# KiCad board IMXDesign.kicad_pcb (continued)
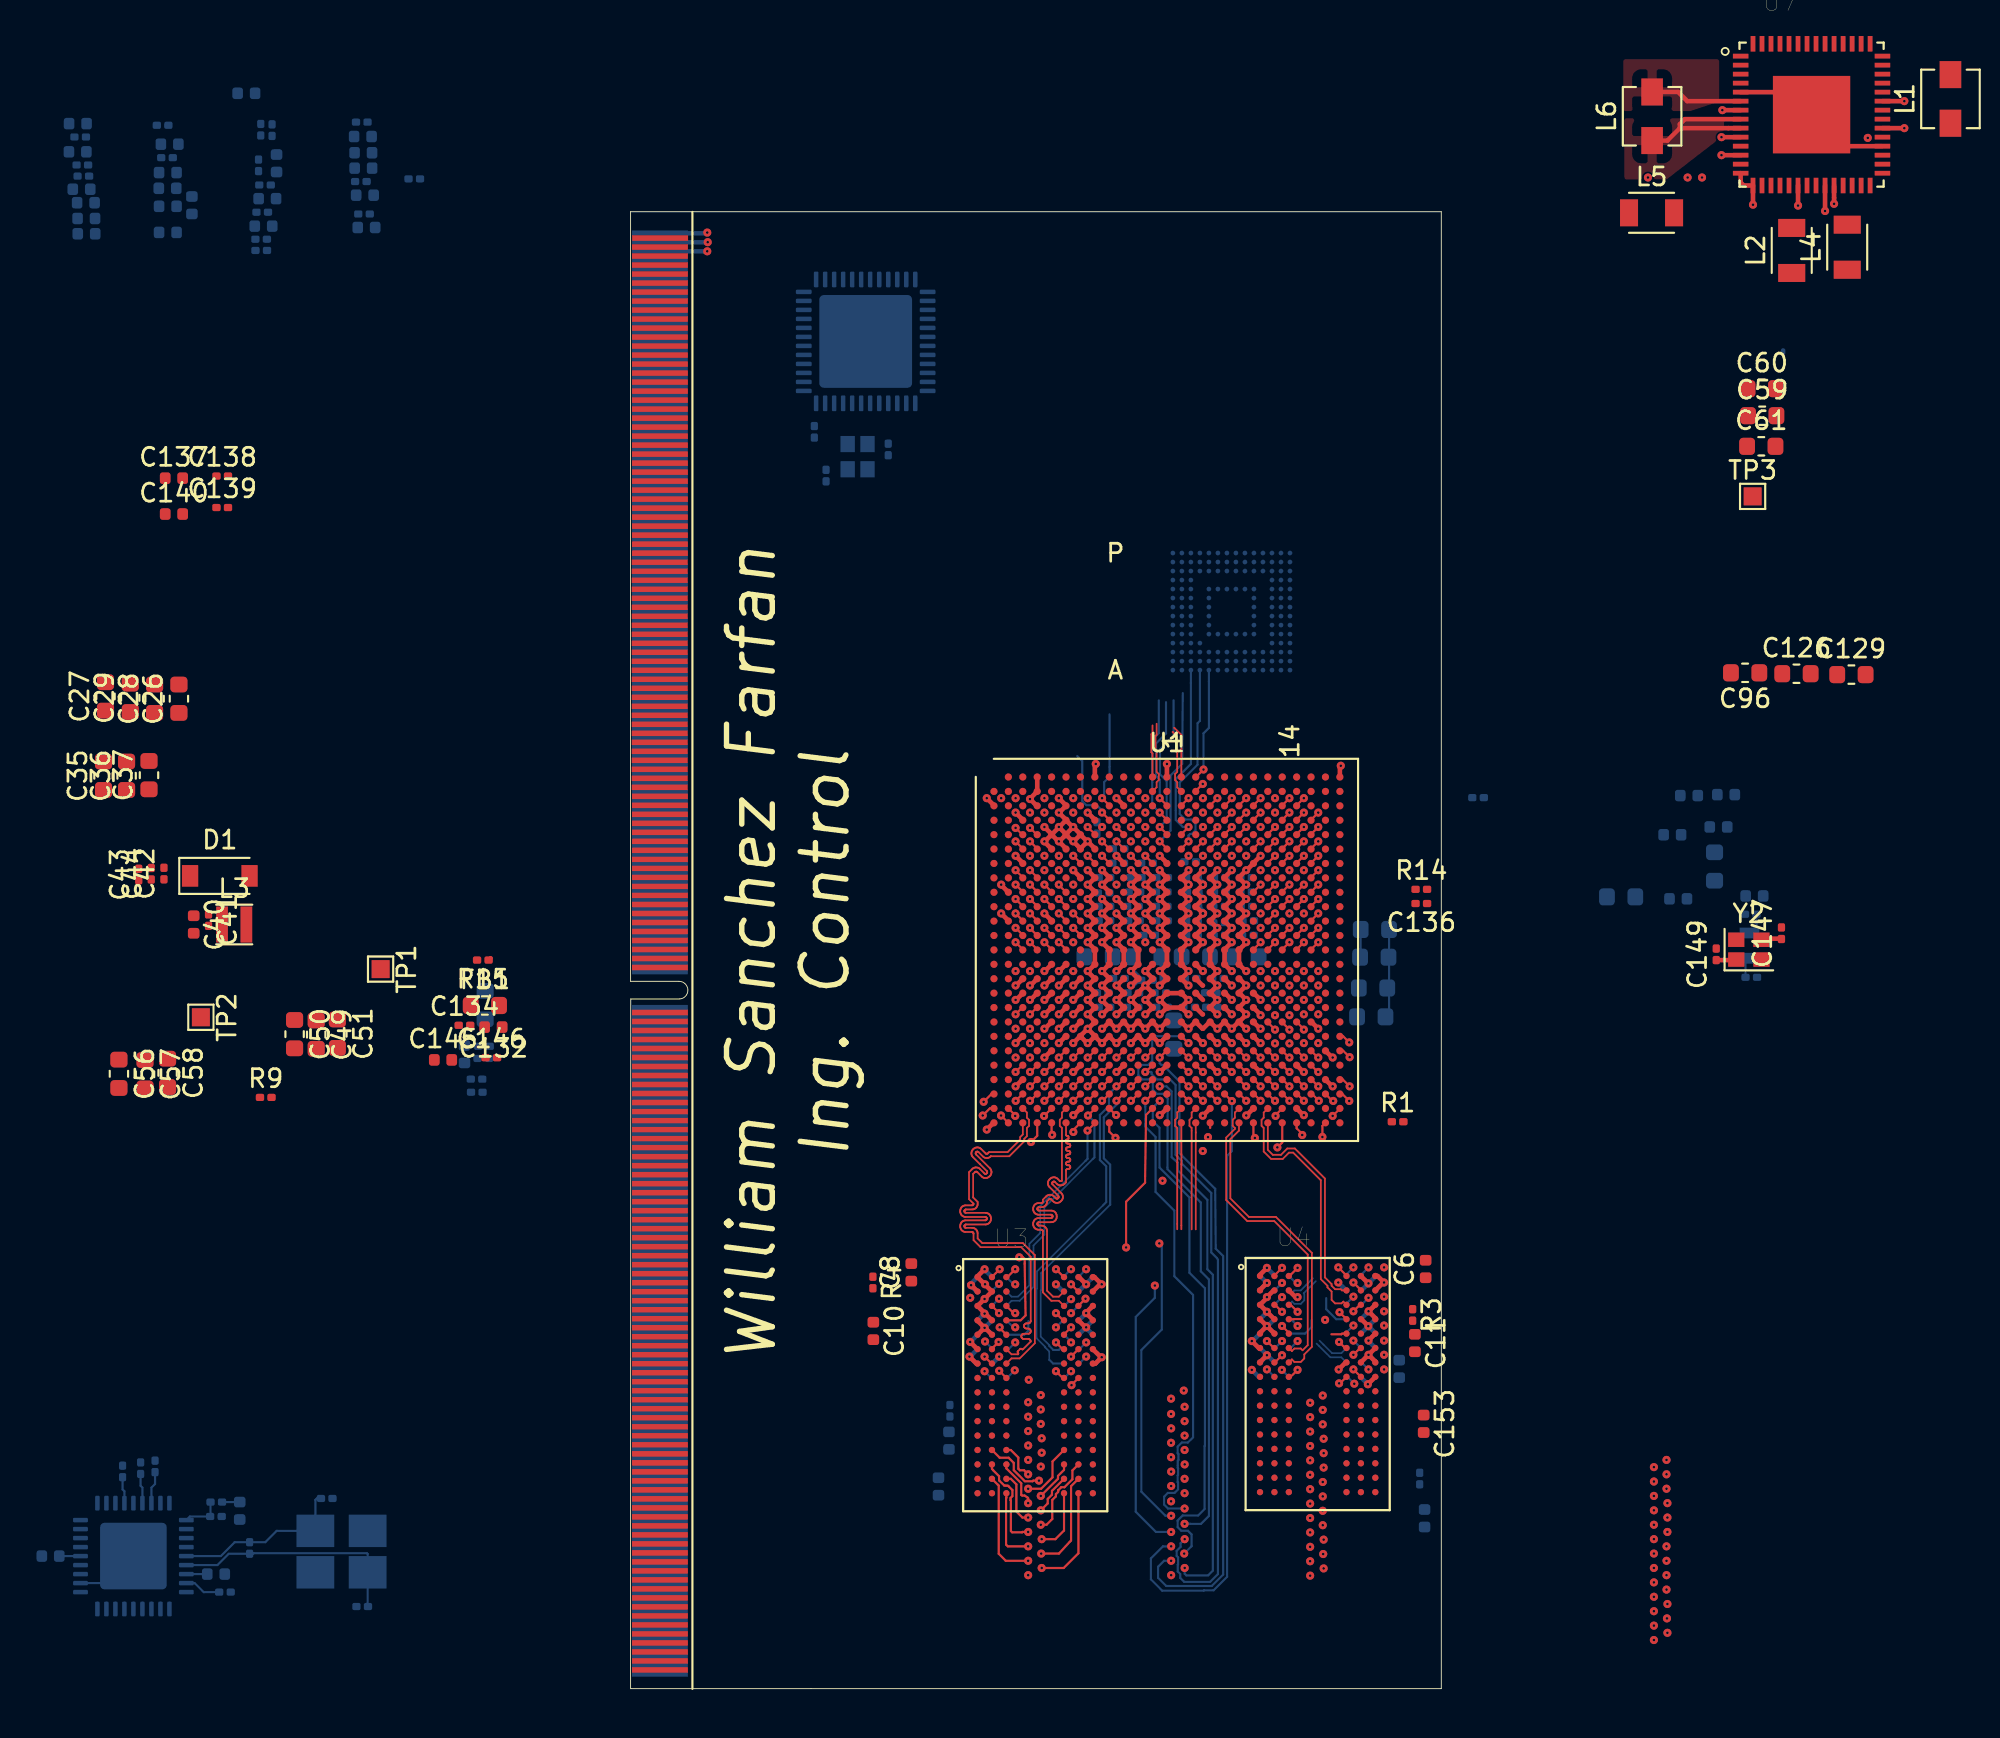
[diagram p0: board, top side]
## Routing (per net, layer and track width the routed paths; a pad name or vN(x,y) marks a point on that pad's centre or on a via; arc(x,y) is an arc through that point) (continued)
/DDR3_Memory/CPU_DDR3/DRAM_D48: length 17.7
  Top w0.119: v1(37.37,32.64) 37,33.01 U1.AC22
  In1.Cu w0.114: v1(37.02,20.14) 36.99,20.14 ; 36.53,30.76 36.53,30.85 37.01,31.34 37.43,31.34 37.75,31.66 37.75,32.26 v1(37.37,32.64)
  In1.Cu w0.119: 36.53,30.76 36.53,30.7 36.5,28.08 36.3,27.88 36.3,27.68 36.3,27.66 36.3,27.65 36.29,27.64 36.28,27.64 36.27,27.63 36.26,27.63 36.24,27.62 36.23,27.62 36.22,27.61 36.21,27.61 36.2,27.6 36.2,27.59 36.2,27.57 36.2,27.43 36.2,27.41 36.2,27.4 36.21,27.39 36.22,27.39 36.23,27.38 36.24,27.38 36.25,27.38 36.35,27.38 36.36,27.37 36.37,27.37 36.38,27.36 36.39,27.36 36.4,27.35 36.4,27.34 36.4,27.32 36.4,27.18 36.4,27.16 36.4,27.15 36.39,27.14 36.38,27.14 36.37,27.13 36.36,27.13 36.35,27.12 36.25,27.12 36.24,27.12 36.23,27.12 36.22,27.11 36.21,27.11 36.2,27.1 36.2,27.09 36.2,27.07 36.2,26.93 36.2,26.91 36.2,26.9 36.21,26.89 36.22,26.89 36.23,26.88 36.24,26.88 36.25,26.88 36.35,26.88 36.36,26.87 36.37,26.87 36.38,26.86 36.39,26.86 36.4,26.85 36.4,26.84 36.4,26.82 36.4,26.68 36.4,26.66 36.4,26.65 36.39,26.64 36.38,26.64 36.37,26.63 36.36,26.63 36.35,26.62 36.25,26.62 36.24,26.62 36.23,26.62 36.22,26.61 36.21,26.61 36.2,26.6 36.2,26.59 36.2,26.57 36.2,26.43 36.2,26.41 36.2,26.4 36.21,26.39 36.22,26.39 36.23,26.38 36.24,26.38 36.25,26.38 36.35,26.38 36.36,26.37 36.37,26.37 36.38,26.36 36.39,26.36 36.4,26.35 36.4,26.34 36.4,26.32 36.4,26.18 36.4,26.16 36.4,26.15 36.39,26.14 36.38,26.14 36.37,26.13 36.36,26.13 36.35,26.12 36.25,26.12 36.24,26.12 36.23,26.12 36.22,26.11 36.21,26.11 36.2,26.1 36.2,26.09 36.2,26.07 36.2,25.93 36.2,25.91 36.2,25.9 36.21,25.89 36.22,25.89 36.23,25.88 36.24,25.88 36.25,25.88 36.35,25.88 36.36,25.87 36.37,25.87 36.38,25.86 36.39,25.86 36.4,25.85 36.4,25.84 36.4,25.82 36.4,25.68 36.4,25.66 36.4,25.65 36.39,25.64 36.38,25.64 36.37,25.63 36.36,25.63 36.35,25.62 36.25,25.62 36.24,25.62 36.23,25.62 36.22,25.61 36.21,25.61 36.2,25.6 36.2,25.59 36.2,25.57 36.2,25.43 36.2,25.41 36.2,25.4 36.21,25.39 36.22,25.39 36.23,25.38 36.24,25.38 36.25,25.38 36.35,25.38 36.36,25.37 36.37,25.37 36.38,25.36 36.39,25.36 36.4,25.35 36.4,25.34 36.4,25.32 36.4,25.18 36.4,25.16 36.4,25.15 36.39,25.14 36.38,25.14 36.37,25.13 36.36,25.13 36.34,25.12 36.33,25.12 36.32,25.11 36.31,25.11 36.3,25.1 36.3,25.09 36.3,25.07 36.3,24.85 36.38,24.78 36.64,24.49 36.64,22.42 36.34,22.12 35.97,22.12 35.77,21.92 35.77,21.51 35.97,21.31 36.34,21.31 36.55,21.1 36.55,20.61 v1(37.02,20.14)
  Bottom w0.119: v1(37.02,20.14) 36.64,20.51 36.54,20.51
/DDR3_Memory/CPU_DDR3/DRAM_D49: length 16.9
  Top w0.114: U1.AE22 36.97,31.29 ; U1.AE22 36.97,31.2 ; U1.AE22 36.97,31.11 37.28,30.8 v1(37.28,30.74)
  In1.Cu w0.114: v1(37.28,30.74) 37.28,28.75 37.67,28.35 37.67,27.36 37.67,27.33 37.66,27.31 37.65,27.28 37.63,27.26 37.6,27.25 37.58,27.24 37.52,27.23 37.5,27.23 37.47,27.21 37.45,27.19 37.44,27.17 37.43,27.14 37.43,27.11 37.43,27.08 37.44,27.06 37.45,27.03 37.47,27.01 37.5,27 37.52,26.99 37.55,26.99 37.8,26.99 37.83,26.98 37.85,26.98 37.88,26.96 37.9,26.94 37.91,26.92 37.92,26.89 37.92,26.86 37.92,26.83 37.91,26.81 37.9,26.78 37.88,26.76 37.85,26.75 37.83,26.74 37.8,26.74 37.55,26.74 37.52,26.73 37.5,26.73 37.47,26.71 37.45,26.69 37.44,26.67 37.43,26.64 37.43,26.61 37.43,26.58 37.44,26.56 37.45,26.53 37.47,26.51 37.5,26.5 37.52,26.49 37.55,26.49 37.8,26.49 37.83,26.48 37.85,26.48 37.88,26.46 37.9,26.44 37.91,26.42 37.92,26.39 37.92,26.36 37.92,26.33 37.91,26.31 37.9,26.28 37.88,26.26 37.85,26.25 37.83,26.24 37.8,26.24 37.55,26.24 37.52,26.23 37.5,26.23 37.47,26.21 37.45,26.19 37.44,26.17 37.43,26.14 37.43,26.11 37.43,26.08 37.44,26.06 37.45,26.03 37.47,26.01 37.5,26 37.52,25.99 37.55,25.99 37.8,25.99 37.83,25.98 37.85,25.98 37.88,25.96 37.9,25.94 37.91,25.92 37.92,25.89 37.92,25.86 37.92,25.83 37.91,25.81 37.9,25.78 37.88,25.76 37.85,25.75 37.83,25.74 37.8,25.74 37.55,25.74 37.52,25.73 37.5,25.73 37.47,25.71 37.45,25.69 37.44,25.67 37.43,25.64 37.43,25.61 37.43,25.58 37.44,25.56 37.45,25.53 37.47,25.51 37.5,25.5 37.52,25.49 37.55,25.49 37.8,25.49 37.83,25.48 37.85,25.48 37.88,25.46 37.9,25.44 37.91,25.42 37.92,25.39 37.92,25.36 37.92,25.33 37.91,25.31 37.9,25.28 37.88,25.26 37.85,25.25 37.83,25.24 37.8,25.24 37.55,25.24 37.52,25.23 37.5,25.23 37.47,25.21 37.45,25.19 37.44,25.17 37.43,25.14 37.43,25.11 37.43,25.08 37.44,25.06 37.45,25.03 37.47,25.01 37.5,25 37.52,24.99 37.55,24.99 37.67,24.99 37.8,24.99 37.83,24.98 37.85,24.98 37.88,24.96 37.9,24.94 37.91,24.92 37.92,24.89 37.92,24.86 37.92,24.83 37.91,24.81 37.9,24.78 37.88,24.76 37.85,24.75 37.83,24.74 37.77,24.73 37.75,24.73 37.72,24.71 37.7,24.69 37.69,24.67 37.68,24.64 37.67,24.61 37.68,24.58 37.69,24.56 37.7,24.53 37.72,24.51 37.75,24.5 37.77,24.49 37.83,24.48 37.85,24.48 37.88,24.46 37.9,24.44 37.91,24.42 37.92,24.39 37.92,24.36 37.92,24.33 37.91,24.31 37.9,24.28 37.88,24.26 37.85,24.25 37.83,24.24 37.77,24.23 37.75,24.23 37.72,24.21 37.7,24.19 37.69,24.17 37.68,24.14 37.67,24.11 37.68,24.08 37.69,24.06 37.7,24.03 37.72,24.01 37.75,24 37.77,23.99 37.83,23.98 37.85,23.98 37.88,23.96 37.9,23.94 37.91,23.92 37.92,23.89 37.92,23.86 37.92,23.83 37.91,23.81 37.9,23.78 37.88,23.76 37.85,23.75 37.83,23.74 37.77,23.73 37.75,23.73 37.72,23.71 37.7,23.69 37.69,23.67 37.68,23.64 37.67,23.61 37.68,23.58 37.69,23.56 37.7,23.53 37.72,23.51 37.75,23.5 37.77,23.49 37.83,23.48 37.85,23.48 37.88,23.46 37.9,23.44 37.91,23.42 37.92,23.39 37.92,23.36 37.92,23.33 37.91,23.31 37.9,23.28 37.88,23.26 37.85,23.25 37.83,23.24 37.77,23.23 37.75,23.23 37.72,23.21 37.7,23.19 37.69,23.17 37.68,23.14 37.67,23.11 37.68,23.08 37.69,23.06 37.7,23.03 37.72,23.01 37.75,23 37.77,22.99 37.83,22.98 37.85,22.98 37.88,22.96 37.9,22.94 37.91,22.92 37.92,22.89 37.92,22.86 37.92,22.83 37.91,22.81 37.9,22.78 37.88,22.76 37.85,22.75 37.83,22.74 37.77,22.73 37.75,22.73 37.72,22.71 37.7,22.69 37.69,22.67 37.68,22.64 37.67,22.61 37.21,22.14 36.88,22.14 36.48,21.74 v1(36.16,21.74)
  Bottom w0.119: 35.74,21.31 35.74,21.32 v1(36.16,21.74)
/DDR3_Memory/CPU_DDR3/DRAM_D50: length 17.3
  Top w0.114: U1.AE24 38.4,31.25 v1(38.4,30.63)
  Top w0.119: v1(40.12,23.39) 40.12,23.3
  In1.Cu w0.119: v1(38.4,30.63) 38.4,30.2 38.45,30.12 38.5,30.07 38.95,30.07 39.12,29.91 39.12,29.65 38.98,29.51 38.98,29.31 38.99,29.28 38.99,29.26 39.01,29.23 39.03,29.21 39.05,29.2 39.08,29.19 39.1,29.19 39.36,29.19 39.39,29.18 39.41,29.18 39.44,29.16 39.46,29.14 39.47,29.12 39.48,29.1 39.48,29.07 39.48,29.04 39.47,29.02 39.46,28.99 39.44,28.98 39.41,28.96 39.39,28.95 39.36,28.95 39.1,28.95 39.08,28.95 39.05,28.94 39.03,28.92 39.01,28.9 38.99,28.88 38.99,28.86 38.98,28.83 38.99,28.8 38.99,28.78 39.01,28.76 39.03,28.74 39.05,28.72 39.08,28.71 39.1,28.71 39.36,28.71 39.39,28.71 39.41,28.7 39.44,28.68 39.46,28.67 39.47,28.64 39.48,28.62 39.48,28.59 39.48,28.56 39.47,28.54 39.46,28.52 39.44,28.5 39.41,28.48 39.39,28.47 39.36,28.47 39.1,28.47 39.08,28.47 39.05,28.46 39.03,28.45 39.01,28.43 38.99,28.4 38.99,28.38 38.98,28.35 38.99,28.33 38.99,28.3 39.01,28.28 39.03,28.26 39.05,28.24 39.08,28.24 39.1,28.23 39.36,28.23 39.39,28.23 39.41,28.22 39.44,28.21 39.46,28.19 39.47,28.17 39.48,28.14 39.48,28.11 39.48,28.09 39.47,28.06 39.46,28.04 39.44,28.02 39.41,28.01 39.39,28 39.36,27.99 39.1,27.99 39.08,27.99 39.05,27.98 39.03,27.97 39.01,27.95 38.99,27.93 38.99,27.9 38.98,27.87 38.99,27.85 38.99,27.82 39.01,27.8 39.03,27.78 39.05,27.77 39.08,27.76 39.1,27.76 39.36,27.76 39.39,27.75 39.41,27.74 39.44,27.73 39.46,27.71 39.47,27.69 39.48,27.66 39.48,27.64 39.48,27.61 39.47,27.58 39.46,27.56 39.44,27.54 39.41,27.53 39.39,27.52 39.36,27.52 39.1,27.52 39.08,27.51 39.05,27.5 39.03,27.49 39.01,27.47 38.99,27.45 38.99,27.42 38.98,27.4 38.99,27.37 38.99,27.35 39.01,27.32 39.03,27.3 39.05,27.29 39.08,27.28 39.1,27.28 39.36,27.28 39.39,27.27 39.41,27.27 39.44,27.25 39.46,27.23 39.47,27.21 39.48,27.18 39.48,27.16 39.48,27.13 39.47,27.11 39.46,27.08 39.44,27.07 39.41,27.05 39.39,27.04 39.36,27.04 39.1,27.04 39.08,27.04 39.05,27.03 39.03,27.01 39.01,26.99 38.99,26.97 38.99,26.95 38.98,26.92 38.99,26.89 38.99,26.87 39.01,26.85 39.03,26.83 39.05,26.81 39.08,26.8 39.1,26.8 39.36,26.8 39.39,26.8 39.41,26.79 39.44,26.77 39.46,26.76 39.47,26.73 39.48,26.71 39.48,26.68 39.48,26.65 39.47,26.63 39.46,26.61 39.44,26.59 39.41,26.57 39.39,26.56 39.36,26.56 39.1,26.56 39.08,26.56 39.05,26.55 39.03,26.54 39.01,26.52 38.99,26.49 38.99,26.47 38.98,26.44 38.99,26.42 38.99,26.39 39.01,26.37 39.03,26.35 39.05,26.33 39.08,26.33 39.1,26.32 39.36,26.32 39.39,26.32 39.41,26.31 39.44,26.3 39.46,26.28 39.47,26.26 39.48,26.23 39.48,26.2 39.48,26.18 39.47,26.15 39.46,26.13 39.44,26.11 39.41,26.1 39.39,26.09 39.36,26.08 39.1,26.08 39.08,26.08 39.05,26.07 39.03,26.06 39.01,26.04 38.99,26.02 38.99,25.99 38.98,25.96 38.99,25.94 38.99,25.91 39.01,25.89 39.03,25.87 39.05,25.86 39.08,25.85 39.1,25.85 39.36,25.85 39.39,25.84 39.41,25.83 39.44,25.82 39.46,25.8 39.47,25.78 39.48,25.75 39.48,25.73 39.48,25.7 39.47,25.67 39.46,25.65 39.44,25.63 39.41,25.62 39.39,25.61 39.36,25.61 39.1,25.61 39.08,25.6 39.05,25.59 39.03,25.58 39.01,25.56 38.99,25.54 38.99,25.51 38.98,25.49 38.99,25.46 38.99,25.44 39.01,25.41 39.03,25.39 39.05,25.38 39.08,25.37 39.1,25.37 39.36,25.37 39.39,25.36 39.41,25.36 39.44,25.34 39.46,25.32 39.47,25.3 39.48,25.27 39.48,25.25 39.48,25.22 39.47,25.2 39.46,25.17 39.44,25.15 39.41,25.14 39.39,25.13 39.36,25.13 39.1,25.13 39.08,25.13 39.05,25.12 39.03,25.1 39.01,25.08 38.99,25.06 38.99,25.04 38.98,25.01 38.98,24.49 39.65,23.82 39.65,23.54 39.8,23.39 v1(40.12,23.39)
  Bottom w0.114: 39.74,22.93 39.74,22.91 39.74,23.01 v1(40.12,23.39)
/DDR3_Memory/CPU_DDR3/DRAM_D51: length 17.1
  Top w0.114: 38.57,33.01 U1.AC24 38.61,33.01
  Top w0.119: U1.AC24 38.95,32.63 v1(39,32.63)
  In1.Cu w0.114: v1(39,32.63) 38.78,32.41 38.7,32.41 38.37,32.07 38.37,31.69 38.37,31.69 38.37,31.4 38.22,31.25 38.14,31.25 37.66,30.78 37.66,30.24
  In1.Cu w0.119: v1(40.12,21.76) 39.8,21.76 39.79,21.75 38.67,21.75 38.15,22.27 38.15,22.8 38.15,22.84 38.17,22.88 38.19,22.91 38.22,22.94 38.25,22.96 38.29,22.97 38.33,22.97 38.38,22.97 38.41,22.98 38.45,22.99 38.48,23.01 38.51,23.04 38.53,23.07 38.55,23.11 38.55,23.15 38.55,23.19 38.53,23.23 38.51,23.26 38.48,23.29 38.45,23.31 38.41,23.32 38.38,23.32 38.33,23.32 38.29,23.33 38.25,23.34 38.22,23.36 38.19,23.39 38.17,23.42 38.15,23.46 38.15,23.5 38.15,23.75 38.15,23.76 38.16,23.77 38.16,23.78 38.17,23.79 38.18,23.79 38.19,23.8 38.21,23.8 38.22,23.8 38.23,23.81 38.24,23.82 38.25,23.83 38.25,23.84 38.25,23.85 38.25,24.1 38.25,24.11 38.25,24.12 38.24,24.13 38.23,24.14 38.22,24.14 38.21,24.15 38.19,24.15 38.18,24.15 38.17,24.16 38.16,24.17 38.16,24.18 38.15,24.19 38.15,24.2 38.15,24.45 38.15,24.46 38.16,24.47 38.16,24.48 38.17,24.49 38.18,24.49 38.19,24.5 38.21,24.5 38.22,24.5 38.23,24.51 38.24,24.52 38.25,24.53 38.25,24.54 38.25,24.55 38.25,24.8 38.25,24.81 38.25,24.82 38.24,24.83 38.23,24.84 38.22,24.84 38.21,24.85 38.19,24.85 38.18,24.85 38.17,24.86 38.16,24.87 38.16,24.88 38.15,24.89 38.15,24.9 38.15,25.15 38.15,25.16 38.16,25.17 38.16,25.18 38.17,25.19 38.18,25.19 38.19,25.2 38.21,25.2 38.22,25.2 38.23,25.21 38.24,25.22 38.25,25.23 38.25,25.24 38.25,25.25 38.25,25.5 38.25,25.51 38.25,25.52 38.24,25.53 38.23,25.54 38.22,25.54 38.21,25.55 38.19,25.55 38.18,25.55 38.17,25.56 38.16,25.57 38.16,25.58 38.15,25.59 38.15,25.6 38.15,25.85 38.15,25.86 38.16,25.87 38.16,25.88 38.17,25.89 38.18,25.89 38.19,25.9 38.21,25.9 38.22,25.9 38.23,25.91 38.24,25.92 38.25,25.93 38.25,25.94 38.25,25.95 38.25,26.2 38.25,26.21 38.25,26.22 38.24,26.23 38.23,26.24 38.22,26.24 38.21,26.25 38.19,26.25 38.18,26.25 38.17,26.26 38.16,26.27 38.16,26.28 38.15,26.29 38.15,26.3 38.15,26.55 38.15,26.56 38.16,26.57 38.16,26.58 38.17,26.59 38.18,26.59 38.19,26.6 38.21,26.6 38.22,26.6 38.23,26.61 38.24,26.62 38.25,26.63 38.25,26.64 38.25,26.65 38.25,26.9 38.25,26.91 38.25,26.92 38.24,26.93 38.23,26.94 38.22,26.94 38.21,26.95 38.19,26.95 38.18,26.95 38.17,26.96 38.16,26.97 38.16,26.98 38.15,26.99 38.15,27 38.15,27.01 38.16,27.02 38.16,27.03 38.17,27.04 38.18,27.04 38.19,27.05 38.21,27.05 38.22,27.05 38.23,27.06 38.24,27.07 38.25,27.08 38.25,27.09 38.25,27.1 38.25,27.35 38.25,27.36 38.25,27.37 38.24,27.38 38.23,27.39 38.22,27.39 38.21,27.4 38.2,27.4 38.03,27.4 38,27.4 37.97,27.41 37.95,27.43 37.93,27.45 37.91,27.47 37.9,27.5 37.9,27.52 37.9,27.62 37.9,27.65 37.91,27.68 37.93,27.7 37.95,27.72 37.97,27.74 38,27.75 38.03,27.75 38.2,27.75 38.21,27.75 38.22,27.75 38.23,27.76 38.24,27.77 38.25,27.78 38.25,27.79 38.25,27.8 38.25,28.05 38.25,28.06 38.25,28.07 38.24,28.08 38.23,28.09 38.22,28.09 38.21,28.1 38.2,28.1 38.03,28.1 38,28.1 37.97,28.11 37.95,28.13 37.93,28.15 37.91,28.17 37.9,28.2 37.9,28.22 37.9,28.32 37.9,28.35 37.91,28.38 37.93,28.4 37.95,28.42 37.97,28.44 38,28.45 38.05,28.45 38.08,28.46 38.1,28.48 38.12,28.5 38.14,28.52 38.15,28.55 38.15,28.57 37.67,29.07 37.67,29.4 37.68,29.42 37.68,29.43 37.69,29.44 37.69,29.44 37.7,29.45 37.71,29.45 37.74,29.46 37.75,29.46 37.76,29.47 37.76,29.47 37.77,29.48 37.77,29.49 37.78,29.5 37.78,29.75 37.77,29.77 37.77,29.78 37.76,29.79 37.76,29.79 37.75,29.8 37.74,29.8 37.72,29.8 37.6,29.8 37.58,29.81 37.57,29.81 37.55,29.82 37.54,29.83 37.53,29.85 37.53,29.86 37.53,29.88 37.53,30.08 37.53,30.1 37.53,30.11 37.54,30.13 37.55,30.14 37.57,30.15 37.58,30.15 37.62,30.16 37.63,30.16 37.65,30.17 37.66,30.18 37.67,30.2 37.67,30.21 37.67,30.23 37.66,30.24
  Bottom w0.119: 39.73,21.31 39.74,21.31 39.74,21.38 v1(40.12,21.76)
/DDR3_Memory/CPU_DDR3/DRAM_D52: length 16.6
  Top w0.119: v1(37.37,33.44) 37,33.81 U1.AB22
  In1.Cu w0.114: v1(37.37,33.44) 36.95,33.02 36.95,31.64 36.43,31.12 36.43,31.06 36.26,30.89 36.26,30.7 ; 35.98,22.7 v1(36.16,22.52)
  In1.Cu w0.119: 36.26,30.7 36.28,28.68 35.66,28.06 35.66,27.89 35.65,27.87 35.65,27.85 35.63,27.83 35.62,27.82 35.6,27.81 35.58,27.8 35.54,27.79 35.52,27.79 35.5,27.78 35.48,27.76 35.47,27.74 35.46,27.72 35.46,27.7 35.46,27.61 35.46,27.58 35.47,27.56 35.48,27.55 35.5,27.53 35.52,27.52 35.54,27.51 35.56,27.51 35.66,27.51 35.66,27.51 35.75,27.51 35.77,27.5 35.79,27.5 35.81,27.48 35.83,27.47 35.84,27.45 35.85,27.43 35.85,27.41 35.85,27.31 35.85,27.29 35.84,27.27 35.83,27.25 35.81,27.24 35.79,27.23 35.77,27.22 35.75,27.22 35.56,27.22 35.54,27.21 35.52,27.21 35.5,27.2 35.48,27.18 35.47,27.16 35.46,27.14 35.46,27.12 35.46,27.03 35.46,27 35.47,26.98 35.48,26.96 35.5,26.95 35.52,26.94 35.54,26.93 35.56,26.93 35.75,26.93 35.77,26.93 35.79,26.92 35.81,26.91 35.83,26.89 35.84,26.87 35.85,26.85 35.85,26.83 35.85,26.74 35.85,26.71 35.84,26.69 35.83,26.68 35.81,26.66 35.79,26.65 35.77,26.64 35.75,26.64 35.56,26.64 35.54,26.64 35.52,26.63 35.5,26.62 35.48,26.6 35.47,26.58 35.46,26.56 35.46,26.54 35.46,26.45 35.46,26.43 35.47,26.41 35.48,26.39 35.5,26.37 35.52,26.36 35.54,26.35 35.56,26.35 35.75,26.35 35.77,26.35 35.79,26.34 35.81,26.33 35.83,26.31 35.84,26.3 35.85,26.28 35.85,26.25 35.85,26.16 35.85,26.14 35.84,26.12 35.83,26.1 35.81,26.08 35.79,26.07 35.77,26.06 35.75,26.06 35.56,26.06 35.54,26.06 35.52,26.05 35.5,26.04 35.48,26.03 35.47,26.01 35.46,25.99 35.46,25.96 35.46,25.87 35.46,25.85 35.47,25.83 35.48,25.81 35.5,25.79 35.52,25.78 35.54,25.78 35.56,25.77 35.75,25.77 35.77,25.77 35.79,25.76 35.81,25.75 35.83,25.74 35.84,25.72 35.85,25.7 35.85,25.68 35.85,25.58 35.85,25.56 35.84,25.54 35.83,25.52 35.81,25.51 35.79,25.49 35.77,25.49 35.75,25.48 35.56,25.48 35.54,25.48 35.52,25.47 35.5,25.46 35.48,25.45 35.47,25.43 35.46,25.41 35.46,25.39 35.46,25.29 35.46,25.27 35.47,25.25 35.48,25.23 35.5,25.22 35.52,25.21 35.54,25.2 35.56,25.2 35.75,25.2 35.77,25.19 35.79,25.19 35.81,25.17 35.83,25.16 35.84,25.14 35.85,25.12 35.85,25.1 35.85,25 35.85,24.98 35.84,24.96 35.83,24.94 35.81,24.93 35.79,24.92 35.77,24.91 35.75,24.91 35.56,24.91 35.54,24.9 35.52,24.9 35.5,24.89 35.48,24.87 35.47,24.85 35.46,24.83 35.46,24.81 35.46,24.71 35.46,24.69 35.47,24.67 35.48,24.65 35.5,24.64 35.52,24.63 35.54,24.62 35.56,24.62 35.75,24.62 35.77,24.62 35.79,24.61 35.81,24.6 35.83,24.58 35.84,24.56 35.85,24.54 35.85,24.52 35.85,24.43 35.85,24.4 35.84,24.38 35.83,24.37 35.81,24.35 35.79,24.34 35.77,24.33 35.73,24.33 35.71,24.32 35.69,24.31 35.68,24.29 35.67,24.27 35.66,24.25 35.66,24.23 35.66,23.6 35.77,23.48 35.77,22.91 35.98,22.7
  Bottom w0.119: v1(36.16,22.52) 35.75,22.11 35.74,22.11
/DDR3_Memory/CPU_DDR3/DRAM_D53: length 16.7
  Top w0.114: v1(38.2,32.64) 37.83,33.01 U1.AC23
  In1.Cu w0.114: v1(37.02,22.52) 37.4,22.91 37.4,24.4 36.9,24.9 36.9,25.44 36.9,25.46 36.91,25.47 36.91,25.48 36.93,25.5 36.94,25.51 36.95,25.51 36.99,25.51 37,25.52 37.02,25.53 37.03,25.54 37.04,25.55 37.04,25.57 37.04,25.59 37.04,25.72 37.04,25.73 37.04,25.75 37.03,25.76 37.02,25.78 37,25.78 36.99,25.79 36.97,25.79 36.82,25.79 36.81,25.79 36.79,25.8 36.78,25.81 36.77,25.82 36.76,25.83 36.75,25.85 36.75,25.86 36.75,26 36.75,26.01 36.76,26.03 36.77,26.04 36.78,26.05 36.79,26.06 36.81,26.07 36.82,26.07 36.97,26.07 36.99,26.07 37,26.08 37.02,26.09 37.03,26.1 37.04,26.11 37.04,26.13 37.04,26.14 37.04,26.28 37.04,26.29 37.04,26.31 37.03,26.32 37.02,26.33 37,26.34 36.99,26.35 36.97,26.35 36.82,26.35 36.81,26.35 36.79,26.36 36.78,26.36 36.77,26.38 36.76,26.39 36.75,26.4 36.75,26.42 36.75,26.55 36.75,26.57 36.76,26.59 36.77,26.6 36.78,26.61 36.79,26.62 36.81,26.62 36.82,26.63 36.97,26.63 36.99,26.63 37,26.63 37.02,26.64 37.03,26.65 37.04,26.67 37.04,26.68 37.04,26.7 37.04,26.83 37.04,26.85 37.04,26.86 37.03,26.88 37.02,26.89 37,26.9 36.99,26.9 36.97,26.91 36.82,26.91 36.81,26.91 36.79,26.91 36.78,26.92 36.77,26.93 36.76,26.95 36.75,26.96 36.75,26.98 36.75,27.11 36.75,27.13 36.76,27.14 36.77,27.16 36.78,27.17 36.79,27.18 36.81,27.18 36.82,27.18 36.97,27.18 36.99,27.19 37,27.19 37.02,27.2 37.03,27.21 37.04,27.23 37.04,27.24 37.04,27.26 37.04,27.39 37.04,27.41 37.04,27.42 37.03,27.44 37.02,27.45 37,27.46 36.99,27.46 36.97,27.46 36.82,27.46 36.81,27.46 36.79,27.47 36.78,27.48 36.77,27.49 36.76,27.5 36.75,27.52 36.75,27.54 36.75,27.67 36.75,27.68 36.76,27.7 36.77,27.71 36.78,27.73 36.79,27.73 36.81,27.74 36.82,27.74 36.97,27.74 36.99,27.74 37,27.75 37.02,27.76 37.03,27.77 37.04,27.78 37.04,27.8 37.04,27.81 37.04,27.95 37.04,27.96 37.04,27.98 37.03,27.99 37.02,28 37,28.01 36.99,28.02 36.97,28.02 36.82,28.02 36.81,28.02 36.79,28.03 36.78,28.04 36.77,28.05 36.76,28.06 36.75,28.08 36.75,28.09 36.75,28.23 36.75,28.24 36.76,28.26 36.77,28.27 36.78,28.28 36.79,28.29 36.81,28.3 36.82,28.3 36.97,28.3 36.99,28.3 37,28.31 37.02,28.31 37.03,28.33 37.04,28.34 37.04,28.35 37.04,28.37 37.04,28.5 37.04,28.52 37.04,28.54 37.03,28.55 37.02,28.56 37,28.57 36.99,28.58 36.97,28.58 36.82,28.58 36.81,28.58 36.79,28.58 36.78,28.59 36.77,28.6 36.76,28.62 36.75,28.63 36.75,28.65 36.75,28.78 36.75,28.8 36.76,28.81 36.77,28.83 36.78,28.84 36.79,28.85 36.81,28.85 36.82,28.86 36.97,28.86 36.99,28.86 37,28.86 37.02,28.87 37.03,28.88 37.04,28.9 37.04,28.91 37.04,28.93 37.04,29.06 37.04,29.08 37.04,29.09 37.03,29.11 37.02,29.12 37,29.13 36.99,29.13 36.97,29.13 36.82,29.13 36.81,29.14 36.79,29.14 36.78,29.15 36.77,29.16 36.76,29.18 36.75,29.19 36.75,29.21 36.75,29.34 36.75,29.36 36.76,29.37 36.77,29.39 36.78,29.4 36.79,29.41 36.81,29.41 36.82,29.41 36.97,29.41 36.99,29.41 37,29.42 37.02,29.43 37.03,29.44 37.04,29.45 37.04,29.47 37.04,29.49 37.04,29.62 37.04,29.63 37.04,29.65 37.03,29.66 37.02,29.68 37,29.68 36.99,29.69 36.97,29.69 36.82,29.69 36.81,29.69 36.79,29.7 36.78,29.71 36.77,29.72 36.76,29.73 36.75,29.75 36.75,29.76 36.75,29.9 36.75,29.91 36.76,29.93 36.77,29.94 36.78,29.95 36.79,29.96 36.81,29.97 36.82,29.97 36.97,29.97 36.99,29.97 37,29.98 37.02,29.99 37.03,30 37.04,30.01 37.04,30.03 37.04,30.04 37.04,30.18 37.04,30.19 37.04,30.21 37.03,30.22 37.02,30.23 37,30.24 36.99,30.25 36.97,30.25 36.9,30.25 36.9,30.25 36.82,30.25 36.81,30.25 36.79,30.26 36.78,30.27 36.77,30.28 36.76,30.29 36.75,30.31 36.75,30.32 36.75,30.46 36.75,30.47 36.76,30.49 36.77,30.5 36.78,30.51 36.79,30.52 36.81,30.53 36.84,30.53 36.86,30.54 36.87,30.55 36.88,30.56 36.89,30.57 36.9,30.59 36.9,30.6 36.9,30.92 36.94,30.96 37.1,31.12 37.7,31.12 38.05,31.47 38.11,31.47 38.15,31.51 38.15,32.27 38.2,32.32 v1(38.2,32.64)
  Bottom w0.119: v1(37.02,22.52) 36.93,22.52 36.54,22.91
/DDR3_Memory/CPU_DDR3/DRAM_D54: length 16.6
  Top w0.114: v1(38.97,31.8) 39.37,32.2 U1.AD25
  In1.Cu w0.119: v1(40.96,23.39) 40.57,23.39 40.51,23.45 40.51,23.87 40.45,23.93 40.2,23.93 39.92,24.2 39.92,25.24 39.92,25.26 39.92,25.28 39.9,25.3 39.89,25.32 39.87,25.33 39.85,25.34 39.81,25.34 39.79,25.35 39.77,25.36 39.75,25.38 39.74,25.39 39.73,25.41 39.73,25.44 39.73,25.48 39.73,25.5 39.74,25.52 39.75,25.54 39.77,25.56 39.79,25.57 39.81,25.57 39.83,25.58 40.02,25.58 40.04,25.58 40.06,25.59 40.08,25.6 40.1,25.61 40.11,25.63 40.12,25.65 40.12,25.67 40.12,25.72 40.12,25.74 40.11,25.76 40.1,25.78 40.08,25.79 40.06,25.81 40.04,25.81 40.02,25.82 39.83,25.82 39.81,25.82 39.79,25.83 39.77,25.84 39.75,25.85 39.74,25.87 39.73,25.89 39.73,25.91 39.73,25.96 39.73,25.98 39.74,26 39.75,26.02 39.77,26.03 39.79,26.05 39.81,26.05 39.83,26.05 40.02,26.05 40.04,26.06 40.06,26.06 40.08,26.08 40.1,26.09 40.11,26.11 40.12,26.13 40.12,26.15 40.12,26.2 40.12,26.22 40.11,26.24 40.1,26.26 40.08,26.27 40.06,26.28 40.04,26.29 40.02,26.29 39.83,26.29 39.81,26.3 39.79,26.3 39.77,26.31 39.75,26.33 39.74,26.35 39.73,26.37 39.73,26.39 39.73,26.43 39.73,26.46 39.74,26.48 39.75,26.5 39.77,26.51 39.79,26.52 39.81,26.53 39.83,26.53 40.02,26.53 40.04,26.53 40.06,26.54 40.08,26.55 40.1,26.57 40.11,26.59 40.12,26.61 40.12,26.63 40.12,26.67 40.12,26.7 40.11,26.72 40.1,26.73 40.08,26.75 40.06,26.76 40.04,26.77 40.02,26.77 39.83,26.77 39.81,26.77 39.79,26.78 39.77,26.79 39.75,26.81 39.74,26.83 39.73,26.85 39.73,26.87 39.73,26.91 39.73,26.93 39.74,26.95 39.75,26.97 39.77,26.99 39.79,27 39.81,27.01 39.83,27.01 40.02,27.01 40.04,27.01 40.06,27.02 40.08,27.03 40.1,27.05 40.11,27.07 40.12,27.09 40.12,27.11 40.12,27.15 40.12,27.17 40.11,27.19 40.1,27.21 40.08,27.23 40.06,27.24 40.04,27.25 40.02,27.25 39.83,27.25 39.81,27.25 39.79,27.26 39.77,27.27 39.75,27.29 39.74,27.3 39.73,27.32 39.73,27.35 39.73,27.39 39.73,27.41 39.74,27.43 39.75,27.45 39.77,27.47 39.79,27.48 39.81,27.48 39.83,27.49 40.02,27.49 40.04,27.49 40.06,27.5 40.08,27.51 40.1,27.52 40.11,27.54 40.12,27.56 40.12,27.58 40.12,27.63 40.12,27.65 40.11,27.67 40.1,27.69 40.08,27.7 40.06,27.72 40.04,27.72 40.02,27.73 39.83,27.73 39.81,27.73 39.79,27.74 39.77,27.75 39.75,27.76 39.74,27.78 39.73,27.8 39.73,27.82 39.73,27.87 39.73,27.89 39.74,27.91 39.75,27.93 39.77,27.94 39.79,27.96 39.81,27.96 39.83,27.96 40.02,27.96 40.04,27.97 40.06,27.97 40.08,27.99 40.1,28 40.11,28.02 40.12,28.04 40.12,28.06 40.12,28.11 40.12,28.13 40.11,28.15 40.1,28.17 40.08,28.18 40.06,28.19 40.04,28.2 40.02,28.2 39.83,28.2 39.81,28.21 39.79,28.21 39.77,28.22 39.75,28.24 39.74,28.26 39.73,28.28 39.73,28.3 39.73,28.35 39.73,28.37 39.74,28.39 39.75,28.41 39.77,28.42 39.79,28.43 39.81,28.44 39.83,28.44 40.02,28.44 40.04,28.44 40.06,28.45 40.08,28.46 40.1,28.48 40.11,28.5 40.12,28.52 40.12,28.54 40.12,28.58 40.12,28.61 40.11,28.63 40.1,28.64 40.08,28.66 40.06,28.67 40.04,28.68 40.02,28.68 39.83,28.68 39.81,28.68 39.79,28.69 39.77,28.7 39.75,28.72 39.74,28.74 39.73,28.76 39.73,28.78 39.73,28.82 39.73,28.84 39.74,28.86 39.75,28.88 39.77,28.9 39.79,28.91 39.81,28.92 39.83,28.92 40.02,28.92 40.04,28.92 40.06,28.93 40.08,28.94 40.1,28.96 40.11,28.98 40.12,29 40.12,29.02 40.12,29.06 40.12,29.08 40.11,29.1 40.1,29.12 40.08,29.14 40.06,29.15 40.04,29.16 40.02,29.16 39.83,29.16 39.81,29.16 39.79,29.17 39.77,29.18 39.75,29.2 39.74,29.21 39.73,29.23 39.73,29.26 39.73,29.3 39.73,29.32 39.74,29.34 39.75,29.36 39.77,29.38 39.79,29.39 39.81,29.4 39.83,29.4 40.02,29.4 40.04,29.4 40.06,29.41 40.08,29.42 40.1,29.43 40.11,29.45 40.12,29.47 40.12,29.49 40.12,29.54 40.12,29.56 40.11,29.58 40.1,29.6 40.08,29.61 40.06,29.63 40.04,29.63 40.02,29.64 39.92,29.64 39.92,29.64 39.83,29.64 39.81,29.64 39.79,29.65 39.77,29.66 39.75,29.68 39.74,29.69 39.73,29.71 39.73,29.74 39.73,29.78 39.73,29.8 39.74,29.82 39.75,29.84 39.77,29.86 39.79,29.87 39.81,29.88 39.85,29.88 39.87,29.89 39.89,29.9 39.9,29.91 39.92,29.93 39.92,29.95 39.92,29.97 39.92,30.1 38.97,31.06 v1(38.97,31.8)
  Bottom w0.114: v1(40.96,23.39) 40.54,22.97 40.54,22.91
/DDR3_Memory/CPU_DDR3/DRAM_D55: length 20.2
  Top w0.114: U1.AC25 39.37,33
  Top w0.119: v1(39.89,32.63) 39.5,33.01 U1.AC25
  In1.Cu w0.114: 38.59,31.8 38.59,31.27 38.35,31.04 38.23,31.04 38.02,30.82
  In1.Cu w0.119: 39.44,32.18 39.67,32.41 ; 39.44,32.18 38.79,32.18 38.59,31.98 38.59,31.8 ; 39.44,32.18 39.73,32.47 ; 39.67,32.41 39.73,32.47 ; 39.67,32.41 v1(39.89,32.63) 39.73,32.47 ; v1(40.96,21.7) 40.75,21.7 40.29,22.17 39.1,22.17 38.78,22.48 38.78,23.67 38.47,23.98 38.47,24.86 38.47,24.88 38.48,24.91 38.5,24.93 38.51,24.95 38.54,24.97 38.56,24.97 38.59,24.98 38.63,24.98 38.66,24.98 38.69,24.99 38.71,25 38.73,25.02 38.74,25.05 38.75,25.07 38.75,25.1 38.75,25.12 38.74,25.15 38.73,25.17 38.71,25.19 38.69,25.2 38.66,25.21 38.63,25.22 38.59,25.22 38.56,25.22 38.54,25.23 38.51,25.24 38.5,25.26 38.48,25.28 38.47,25.31 38.47,25.34 38.47,25.36 38.48,25.39 38.5,25.41 38.51,25.43 38.54,25.44 38.56,25.45 38.59,25.46 38.63,25.46 38.66,25.46 38.69,25.47 38.71,25.48 38.73,25.5 38.74,25.52 38.75,25.55 38.75,25.57 38.75,25.6 38.74,25.63 38.73,25.65 38.71,25.67 38.69,25.68 38.66,25.69 38.63,25.69 38.59,25.69 38.56,25.7 38.54,25.71 38.51,25.72 38.5,25.74 38.48,25.76 38.47,25.79 38.47,25.81 38.47,25.84 38.48,25.87 38.5,25.89 38.51,25.91 38.54,25.92 38.56,25.93 38.59,25.93 38.63,25.93 38.66,25.94 38.69,25.94 38.71,25.96 38.73,25.98 38.74,26 38.75,26.03 38.75,26.05 38.75,26.08 38.74,26.1 38.73,26.13 38.71,26.15 38.69,26.16 38.66,26.17 38.63,26.17 38.59,26.17 38.56,26.17 38.54,26.18 38.51,26.2 38.5,26.22 38.48,26.24 38.47,26.26 38.47,26.29 38.47,26.32 38.48,26.34 38.5,26.37 38.51,26.38 38.54,26.4 38.56,26.41 38.59,26.41 38.63,26.41 38.66,26.41 38.69,26.42 38.71,26.44 38.73,26.46 38.74,26.48 38.75,26.5 38.75,26.53 38.75,26.56 38.74,26.58 38.73,26.6 38.71,26.62 38.69,26.64 38.66,26.65 38.63,26.65 38.59,26.65 38.56,26.65 38.54,26.66 38.51,26.68 38.5,26.69 38.48,26.72 38.47,26.74 38.47,26.77 38.47,26.79 38.48,26.82 38.5,26.84 38.51,26.86 38.54,26.88 38.56,26.88 38.59,26.89 38.63,26.89 38.66,26.89 38.69,26.9 38.71,26.91 38.73,26.93 38.74,26.96 38.75,26.98 38.75,27.01 38.75,27.03 38.74,27.06 38.73,27.08 38.71,27.1 38.69,27.11 38.66,27.12 38.63,27.13 38.59,27.13 38.56,27.13 38.54,27.14 38.51,27.15 38.5,27.17 38.48,27.19 38.47,27.22 38.47,27.25 38.47,27.27 38.48,27.3 38.5,27.32 38.51,27.34 38.54,27.35 38.56,27.36 38.59,27.37 38.63,27.37 38.66,27.37 38.69,27.38 38.71,27.39 38.73,27.41 38.74,27.43 38.75,27.46 38.75,27.48 38.75,27.51 38.74,27.54 38.73,27.56 38.71,27.58 38.69,27.59 38.66,27.6 38.63,27.6 38.59,27.6 38.56,27.61 38.54,27.62 38.51,27.63 38.5,27.65 38.48,27.67 38.47,27.7 38.47,27.72 38.47,27.75 38.48,27.78 38.5,27.8 38.51,27.82 38.54,27.83 38.56,27.84 38.59,27.84 38.63,27.84 38.66,27.85 38.69,27.85 38.71,27.87 38.73,27.89 38.74,27.91 38.75,27.94 38.75,27.96 38.75,27.99 38.74,28.01 38.73,28.04 38.71,28.06 38.69,28.07 38.66,28.08 38.63,28.08 38.59,28.08 38.56,28.08 38.54,28.09 38.51,28.11 38.5,28.13 38.48,28.15 38.47,28.17 38.47,28.2 38.47,28.23 38.48,28.25 38.5,28.28 38.51,28.29 38.54,28.31 38.56,28.32 38.59,28.32 38.63,28.32 38.66,28.32 38.69,28.33 38.71,28.35 38.73,28.37 38.74,28.39 38.75,28.41 38.75,28.44 38.75,28.47 38.74,28.49 38.73,28.51 38.71,28.53 38.69,28.55 38.66,28.56 38.63,28.56 38.42,28.56 38.41,28.56 38.4,28.56 38.39,28.57 38.38,28.58 38.37,28.59 38.37,28.6 38.37,28.61 38.37,28.75 38.37,28.76 38.37,28.77 38.38,28.78 38.39,28.79 38.4,28.79 38.41,28.8 38.42,28.8 38.63,28.8 38.66,28.8 38.69,28.81 38.71,28.82 38.73,28.84 38.74,28.87 38.75,28.89 38.75,28.92 38.75,28.94 38.74,28.97 38.73,28.99 38.71,29.01 38.69,29.02 38.66,29.03 38.63,29.04 38.3,29.04 38.28,29.04 38.25,29.05 38.23,29.06 38.21,29.08 38.2,29.1 38.19,29.13 38.19,29.16 38.19,29.18 38.2,29.21 38.21,29.23 38.23,29.25 38.25,29.26 38.28,29.27 38.3,29.28 38.35,29.28 38.38,29.28 38.4,29.29 38.42,29.3 38.44,29.32 38.46,29.34 38.47,29.37 38.47,29.39 38.47,29.57 38.02,30.02 38.02,30.82